# Altium PCB rev3.PcbDoc (part 6 of 7) (continued)
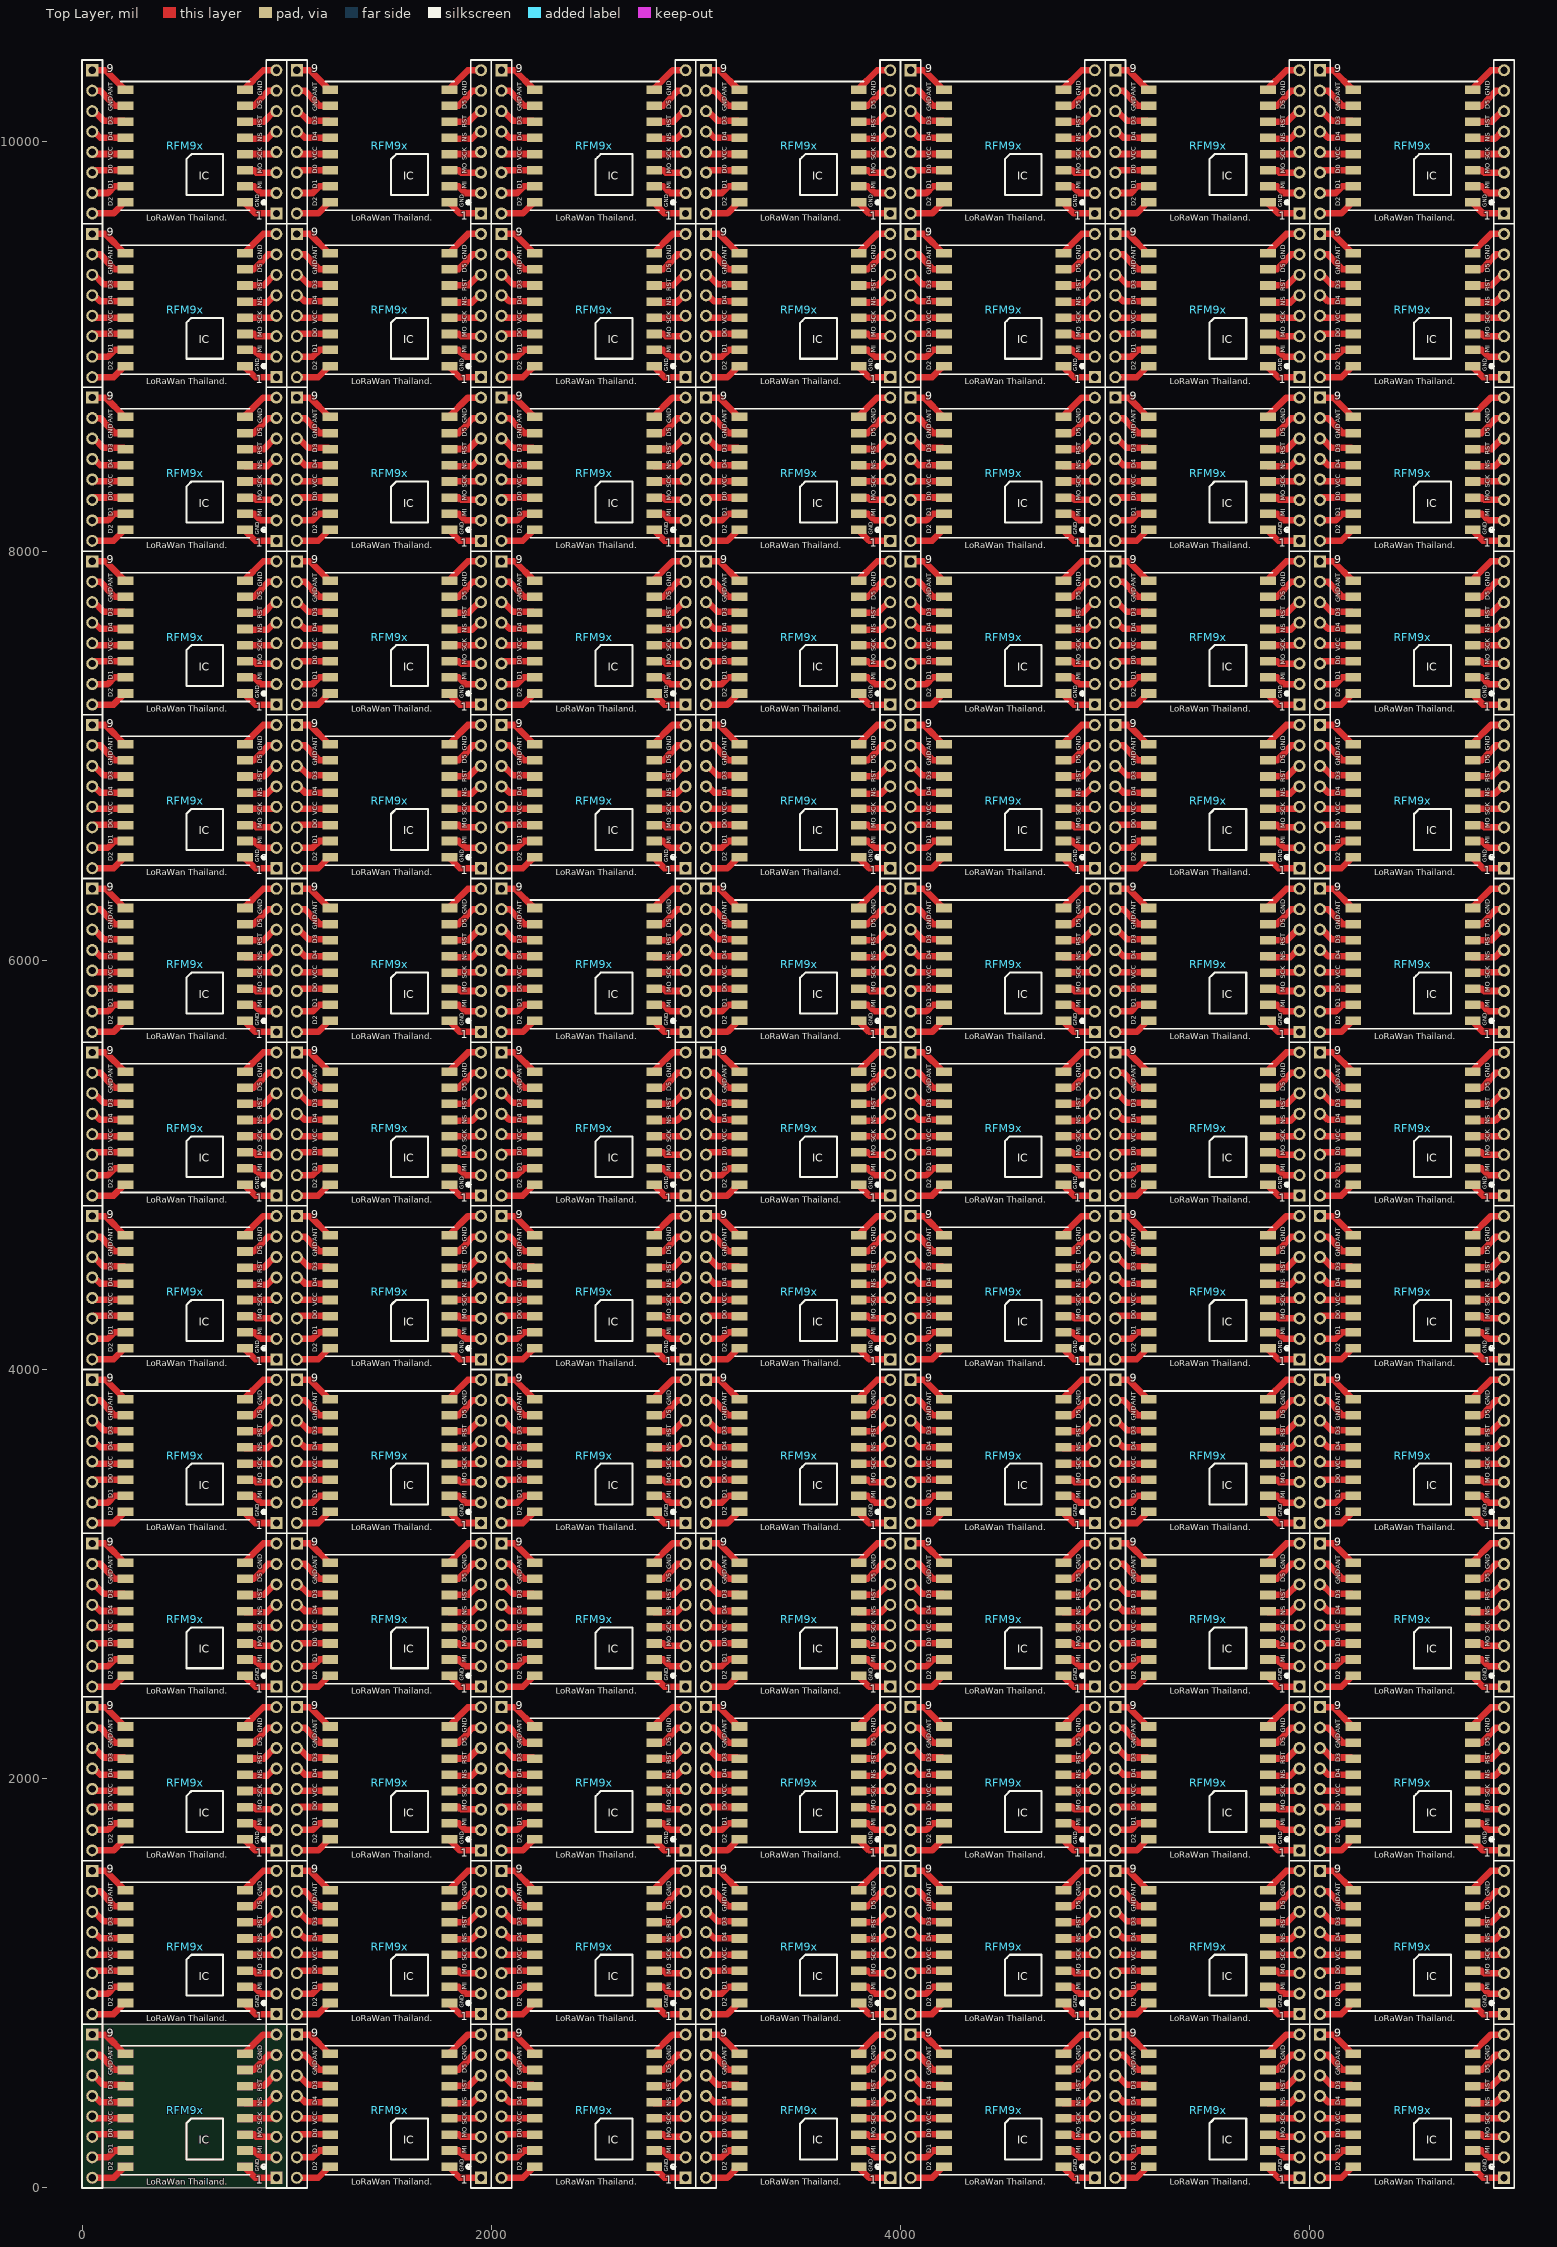
[diagram p0: Top Layer view]
## Silkscreen, mask and mechanical layers (free items; w line width, h text height) (continued)
  text "LoRaWan Thailand." at 1315,6415 h30
  text "LoRaWan Thailand." at 2315,6415 h30
  text "LoRaWan Thailand." at 3315,6415 h30
  text "LoRaWan Thailand." at 4315,6415 h30
  text "LoRaWan Thailand." at 5315,6415 h30
  text "LoRaWan Thailand." at 6315,6415 h30
  text "ANT" at 150,6226 h23 r90
  text "ANT" at 1150,6226 h23 r90
  text "ANT" at 2150,6226 h23 r90
  text "ANT" at 3150,6226 h23 r90
  text "ANT" at 4150,6226 h23 r90
  text "ANT" at 5150,6226 h23 r90
  text "ANT" at 6150,6226 h23 r90
  text "GND" at 880,6225 h23 r90
  text "GND" at 1880,6225 h23 r90
  text "GND" at 2880,6225 h23 r90
  text "GND" at 3880,6225 h23 r90
  text "GND" at 4880,6225 h23 r90
  text "GND" at 5880,6225 h23 r90
  text "GND" at 6880,6225 h23 r90
  text "D5" at 880,6160 h23 r90
  text "D5" at 1880,6160 h23 r90
  text "D5" at 2880,6160 h23 r90
  text "D5" at 3880,6160 h23 r90
  text "D5" at 4880,6160 h23 r90
  text "D5" at 5880,6160 h23 r90
  text "D5" at 6880,6160 h23 r90
  text "GND" at 150,6150 h23 r90
  text "GND" at 1150,6150 h23 r90
  text "GND" at 2150,6150 h23 r90
  text "GND" at 3150,6150 h23 r90
  text "GND" at 4150,6150 h23 r90
  text "GND" at 5150,6150 h23 r90
  text "GND" at 6150,6150 h23 r90
  text "D3" at 150,6080 h23 r90
  text "D3" at 1150,6080 h23 r90
  text "D3" at 2150,6080 h23 r90
  text "D3" at 3150,6080 h23 r90
  text "D3" at 4150,6080 h23 r90
  text "D3" at 5150,6080 h23 r90
  text "D3" at 6150,6080 h23 r90
  text "RST" at 880,6070 h23 r90
  text "RST" at 1880,6070 h23 r90
  text "RST" at 2880,6070 h23 r90
  text "RST" at 3880,6070 h23 r90
  text "RST" at 4880,6070 h23 r90
  text "RST" at 5880,6070 h23 r90
  text "RST" at 6880,6070 h23 r90
  text "D4" at 150,6005 h23 r90
  text "D4" at 1150,6005 h23 r90
  text "D4" at 2150,6005 h23 r90
  text "D4" at 3150,6005 h23 r90
  text "D4" at 4150,6005 h23 r90
  text "D4" at 5150,6005 h23 r90
  text "D4" at 6150,6005 h23 r90
  text "NS" at 880,6000 h23 r90
  text "NS" at 1880,6000 h23 r90
  text "NS" at 2880,6000 h23 r90
  text "NS" at 3880,6000 h23 r90
  text "NS" at 4880,6000 h23 r90
  text "NS" at 5880,6000 h23 r90
  text "NS" at 6880,6000 h23 r90
  text "VCC" at 150,5910 h23 r90
  text "SCK" at 880,5910 h23 r90
  text "VCC" at 1150,5910 h23 r90
  text "SCK" at 1880,5910 h23 r90
  text "VCC" at 2150,5910 h23 r90
  text "SCK" at 2880,5910 h23 r90
  text "VCC" at 3150,5910 h23 r90
  text "SCK" at 3880,5910 h23 r90
  text "VCC" at 4150,5910 h23 r90
  text "SCK" at 4880,5910 h23 r90
  text "VCC" at 5150,5910 h23 r90
  text "SCK" at 5880,5910 h23 r90
  text "VCC" at 6150,5910 h23 r90
  text "SCK" at 6880,5910 h23 r90
  text "D0" at 150,5845 h23 r90
  text "MO" at 880,5845 h23 r90
  text "D0" at 1150,5845 h23 r90
  text "MO" at 1880,5845 h23 r90
  text "D0" at 2150,5845 h23 r90
  text "MO" at 2880,5845 h23 r90
  text "D0" at 3150,5845 h23 r90
  text "MO" at 3880,5845 h23 r90
  text "D0" at 4150,5845 h23 r90
  text "MO" at 4880,5845 h23 r90
  text "D0" at 5150,5845 h23 r90
  text "MO" at 5880,5845 h23 r90
  text "D0" at 6150,5845 h23 r90
  text "MO" at 6880,5845 h23 r90
  text "D1" at 150,5770 h23 r90
  text "MI" at 880,5770 h23 r90
  text "D1" at 1150,5770 h23 r90
  text "MI" at 1880,5770 h23 r90
  text "D1" at 2150,5770 h23 r90
  text "MI" at 2880,5770 h23 r90
  text "D1" at 3150,5770 h23 r90
  text "MI" at 3880,5770 h23 r90
  text "D1" at 4150,5770 h23 r90
  text "MI" at 4880,5770 h23 r90
  text "D1" at 5150,5770 h23 r90
  text "MI" at 5880,5770 h23 r90
  text "D1" at 6150,5770 h23 r90
  text "MI" at 6880,5770 h23 r90
  text "D2" at 150,5685 h23 r90
  text "D2" at 1150,5685 h23 r90
  text "D2" at 2150,5685 h23 r90
  text "D2" at 3150,5685 h23 r90
  text "D2" at 4150,5685 h23 r90
  text "D2" at 5150,5685 h23 r90
  text "D2" at 6150,5685 h23 r90
  text "GND" at 865,5680 h20 r90
  text "GND" at 1865,5680 h20 r90
  text "GND" at 2865,5680 h20 r90
  text "GND" at 3865,5680 h20 r90
  text "GND" at 4865,5680 h20 r90
  text "GND" at 5865,5680 h20 r90
  text "GND" at 6865,5680 h20 r90
  text "LoRaWan Thailand." at 315,5615 h30
  text "LoRaWan Thailand." at 1315,5615 h30
  text "LoRaWan Thailand." at 2315,5615 h30
  text "LoRaWan Thailand." at 3315,5615 h30
  text "LoRaWan Thailand." at 4315,5615 h30
  text "LoRaWan Thailand." at 5315,5615 h30
  text "LoRaWan Thailand." at 6315,5615 h30
  text "ANT" at 150,5426 h23 r90
  text "ANT" at 1150,5426 h23 r90
  text "ANT" at 2150,5426 h23 r90
  text "ANT" at 3150,5426 h23 r90
  text "ANT" at 4150,5426 h23 r90
  text "ANT" at 5150,5426 h23 r90
  text "ANT" at 6150,5426 h23 r90
  text "GND" at 880,5425 h23 r90
  text "GND" at 1880,5425 h23 r90
  text "GND" at 2880,5425 h23 r90
  text "GND" at 3880,5425 h23 r90
  text "GND" at 4880,5425 h23 r90
  text "GND" at 5880,5425 h23 r90
  text "GND" at 6880,5425 h23 r90
  text "D5" at 880,5360 h23 r90
  text "D5" at 1880,5360 h23 r90
  text "D5" at 2880,5360 h23 r90
  text "D5" at 3880,5360 h23 r90
  text "D5" at 4880,5360 h23 r90
  text "D5" at 5880,5360 h23 r90
  text "D5" at 6880,5360 h23 r90
  text "GND" at 150,5350 h23 r90
  text "GND" at 1150,5350 h23 r90
  text "GND" at 2150,5350 h23 r90
  text "GND" at 3150,5350 h23 r90
  text "GND" at 4150,5350 h23 r90
  text "GND" at 5150,5350 h23 r90
  text "GND" at 6150,5350 h23 r90
  text "D3" at 150,5280 h23 r90
  text "D3" at 1150,5280 h23 r90
  text "D3" at 2150,5280 h23 r90
  text "D3" at 3150,5280 h23 r90
  text "D3" at 4150,5280 h23 r90
  text "D3" at 5150,5280 h23 r90
  text "D3" at 6150,5280 h23 r90
  text "RST" at 880,5270 h23 r90
  text "RST" at 1880,5270 h23 r90
  text "RST" at 2880,5270 h23 r90
  text "RST" at 3880,5270 h23 r90
  text "RST" at 4880,5270 h23 r90
  text "RST" at 5880,5270 h23 r90
  text "RST" at 6880,5270 h23 r90
  text "D4" at 150,5205 h23 r90
  text "D4" at 1150,5205 h23 r90
  text "D4" at 2150,5205 h23 r90
  text "D4" at 3150,5205 h23 r90
  text "D4" at 4150,5205 h23 r90
  text "D4" at 5150,5205 h23 r90
  text "D4" at 6150,5205 h23 r90
  text "NS" at 880,5200 h23 r90
  text "NS" at 1880,5200 h23 r90
  text "NS" at 2880,5200 h23 r90
  text "NS" at 3880,5200 h23 r90
  text "NS" at 4880,5200 h23 r90
  text "NS" at 5880,5200 h23 r90
  text "NS" at 6880,5200 h23 r90
  text "VCC" at 150,5110 h23 r90
  text "SCK" at 880,5110 h23 r90
  text "VCC" at 1150,5110 h23 r90
  text "SCK" at 1880,5110 h23 r90
  text "VCC" at 2150,5110 h23 r90
  text "SCK" at 2880,5110 h23 r90
  text "VCC" at 3150,5110 h23 r90
  text "SCK" at 3880,5110 h23 r90
  text "VCC" at 4150,5110 h23 r90
  text "SCK" at 4880,5110 h23 r90
  text "VCC" at 5150,5110 h23 r90
  text "SCK" at 5880,5110 h23 r90
  text "VCC" at 6150,5110 h23 r90
  text "SCK" at 6880,5110 h23 r90
  text "D0" at 150,5045 h23 r90
  text "MO" at 880,5045 h23 r90
  text "D0" at 1150,5045 h23 r90
  text "MO" at 1880,5045 h23 r90
  text "D0" at 2150,5045 h23 r90
  text "MO" at 2880,5045 h23 r90
  text "D0" at 3150,5045 h23 r90
  text "MO" at 3880,5045 h23 r90
  text "D0" at 4150,5045 h23 r90
  text "MO" at 4880,5045 h23 r90
  text "D0" at 5150,5045 h23 r90
  text "MO" at 5880,5045 h23 r90
  text "D0" at 6150,5045 h23 r90
  text "MO" at 6880,5045 h23 r90
  text "D1" at 150,4970 h23 r90
  text "MI" at 880,4970 h23 r90
  text "D1" at 1150,4970 h23 r90
  text "MI" at 1880,4970 h23 r90
  text "D1" at 2150,4970 h23 r90
  text "MI" at 2880,4970 h23 r90
  text "D1" at 3150,4970 h23 r90
  text "MI" at 3880,4970 h23 r90
  text "D1" at 4150,4970 h23 r90
  text "MI" at 4880,4970 h23 r90
  text "D1" at 5150,4970 h23 r90
  text "MI" at 5880,4970 h23 r90
  text "D1" at 6150,4970 h23 r90
  text "MI" at 6880,4970 h23 r90
  text "D2" at 150,4885 h23 r90
  text "D2" at 1150,4885 h23 r90
  text "D2" at 2150,4885 h23 r90
  text "D2" at 3150,4885 h23 r90
  text "D2" at 4150,4885 h23 r90
  text "D2" at 5150,4885 h23 r90
  text "D2" at 6150,4885 h23 r90
  text "GND" at 865,4880 h20 r90
  text "GND" at 1865,4880 h20 r90
  text "GND" at 2865,4880 h20 r90
  text "GND" at 3865,4880 h20 r90
  text "GND" at 4865,4880 h20 r90
  text "GND" at 5865,4880 h20 r90
  text "GND" at 6865,4880 h20 r90
  text "LoRaWan Thailand." at 315,4815 h30
  text "LoRaWan Thailand." at 1315,4815 h30
  text "LoRaWan Thailand." at 2315,4815 h30
  text "LoRaWan Thailand." at 3315,4815 h30
  text "LoRaWan Thailand." at 4315,4815 h30
  text "LoRaWan Thailand." at 5315,4815 h30
  text "LoRaWan Thailand." at 6315,4815 h30
  text "ANT" at 150,4626 h23 r90
  text "ANT" at 1150,4626 h23 r90
  text "ANT" at 2150,4626 h23 r90
  text "ANT" at 3150,4626 h23 r90
  text "ANT" at 4150,4626 h23 r90
  text "ANT" at 5150,4626 h23 r90
  text "ANT" at 6150,4626 h23 r90
  text "GND" at 880,4625 h23 r90
  text "GND" at 1880,4625 h23 r90
  text "GND" at 2880,4625 h23 r90
  text "GND" at 3880,4625 h23 r90
  text "GND" at 4880,4625 h23 r90
  text "GND" at 5880,4625 h23 r90
  text "GND" at 6880,4625 h23 r90
  text "D5" at 880,4560 h23 r90
  text "D5" at 1880,4560 h23 r90
  text "D5" at 2880,4560 h23 r90
  text "D5" at 3880,4560 h23 r90
  text "D5" at 4880,4560 h23 r90
  text "D5" at 5880,4560 h23 r90
  text "D5" at 6880,4560 h23 r90
  text "GND" at 150,4550 h23 r90
  text "GND" at 1150,4550 h23 r90
  text "GND" at 2150,4550 h23 r90
  text "GND" at 3150,4550 h23 r90
  text "GND" at 4150,4550 h23 r90
  text "GND" at 5150,4550 h23 r90
  text "GND" at 6150,4550 h23 r90
  text "D3" at 150,4480 h23 r90
  text "D3" at 1150,4480 h23 r90
  text "D3" at 2150,4480 h23 r90
  text "D3" at 3150,4480 h23 r90
  text "D3" at 4150,4480 h23 r90
  text "D3" at 5150,4480 h23 r90
  text "D3" at 6150,4480 h23 r90
  text "RST" at 880,4470 h23 r90
  text "RST" at 1880,4470 h23 r90
  text "RST" at 2880,4470 h23 r90
  text "RST" at 3880,4470 h23 r90
  text "RST" at 4880,4470 h23 r90
  text "RST" at 5880,4470 h23 r90
  text "RST" at 6880,4470 h23 r90
  text "D4" at 150,4405 h23 r90
  text "D4" at 1150,4405 h23 r90
  text "D4" at 2150,4405 h23 r90
  text "D4" at 3150,4405 h23 r90
  text "D4" at 4150,4405 h23 r90
  text "D4" at 5150,4405 h23 r90
  text "D4" at 6150,4405 h23 r90
  text "NS" at 880,4400 h23 r90
  text "NS" at 1880,4400 h23 r90
  text "NS" at 2880,4400 h23 r90
  text "NS" at 3880,4400 h23 r90
  text "NS" at 4880,4400 h23 r90
  text "NS" at 5880,4400 h23 r90
  text "NS" at 6880,4400 h23 r90
  text "VCC" at 150,4310 h23 r90
  text "SCK" at 880,4310 h23 r90
  text "VCC" at 1150,4310 h23 r90
  text "SCK" at 1880,4310 h23 r90
  text "VCC" at 2150,4310 h23 r90
  text "SCK" at 2880,4310 h23 r90
  text "VCC" at 3150,4310 h23 r90
  text "SCK" at 3880,4310 h23 r90
  text "VCC" at 4150,4310 h23 r90
  text "SCK" at 4880,4310 h23 r90
  text "VCC" at 5150,4310 h23 r90
  text "SCK" at 5880,4310 h23 r90
  text "VCC" at 6150,4310 h23 r90
  text "SCK" at 6880,4310 h23 r90
  text "D0" at 150,4245 h23 r90
  text "MO" at 880,4245 h23 r90
  text "D0" at 1150,4245 h23 r90
  text "MO" at 1880,4245 h23 r90
  text "D0" at 2150,4245 h23 r90
  text "MO" at 2880,4245 h23 r90
  text "D0" at 3150,4245 h23 r90
  text "MO" at 3880,4245 h23 r90
  text "D0" at 4150,4245 h23 r90
  text "MO" at 4880,4245 h23 r90
  text "D0" at 5150,4245 h23 r90
  text "MO" at 5880,4245 h23 r90
  text "D0" at 6150,4245 h23 r90
  text "MO" at 6880,4245 h23 r90
  text "D1" at 150,4170 h23 r90
  text "MI" at 880,4170 h23 r90
  text "D1" at 1150,4170 h23 r90
  text "MI" at 1880,4170 h23 r90
  text "D1" at 2150,4170 h23 r90
  text "MI" at 2880,4170 h23 r90
  text "D1" at 3150,4170 h23 r90
  text "MI" at 3880,4170 h23 r90
  text "D1" at 4150,4170 h23 r90
  text "MI" at 4880,4170 h23 r90
  text "D1" at 5150,4170 h23 r90
  text "MI" at 5880,4170 h23 r90
  text "D1" at 6150,4170 h23 r90
  text "MI" at 6880,4170 h23 r90
  text "D2" at 150,4085 h23 r90
  text "D2" at 1150,4085 h23 r90
  text "D2" at 2150,4085 h23 r90
  text "D2" at 3150,4085 h23 r90
  text "D2" at 4150,4085 h23 r90
  text "D2" at 5150,4085 h23 r90
  text "D2" at 6150,4085 h23 r90
  text "GND" at 865,4080 h20 r90
  text "GND" at 1865,4080 h20 r90
  text "GND" at 2865,4080 h20 r90
  text "GND" at 3865,4080 h20 r90
  text "GND" at 4865,4080 h20 r90
  text "GND" at 5865,4080 h20 r90
  text "GND" at 6865,4080 h20 r90
  text "LoRaWan Thailand." at 315,4015 h30
  text "LoRaWan Thailand." at 1315,4015 h30
  text "LoRaWan Thailand." at 2315,4015 h30
  text "LoRaWan Thailand." at 3315,4015 h30
  text "LoRaWan Thailand." at 4315,4015 h30
  text "LoRaWan Thailand." at 5315,4015 h30
  text "LoRaWan Thailand." at 6315,4015 h30
  text "ANT" at 150,3826 h23 r90
  text "ANT" at 1150,3826 h23 r90
  text "ANT" at 2150,3826 h23 r90
  text "ANT" at 3150,3826 h23 r90
  text "ANT" at 4150,3826 h23 r90
  text "ANT" at 5150,3826 h23 r90
  text "ANT" at 6150,3826 h23 r90
  text "GND" at 880,3825 h23 r90
  text "GND" at 1880,3825 h23 r90
  text "GND" at 2880,3825 h23 r90
  text "GND" at 3880,3825 h23 r90
  text "GND" at 4880,3825 h23 r90
  text "GND" at 5880,3825 h23 r90
  text "GND" at 6880,3825 h23 r90
  text "D5" at 880,3760 h23 r90
  text "D5" at 1880,3760 h23 r90
  text "D5" at 2880,3760 h23 r90
  text "D5" at 3880,3760 h23 r90
  text "D5" at 4880,3760 h23 r90
  text "D5" at 5880,3760 h23 r90
  text "D5" at 6880,3760 h23 r90
  text "GND" at 150,3750 h23 r90
  text "GND" at 1150,3750 h23 r90
  text "GND" at 2150,3750 h23 r90
  text "GND" at 3150,3750 h23 r90
  text "GND" at 4150,3750 h23 r90
  text "GND" at 5150,3750 h23 r90
  text "GND" at 6150,3750 h23 r90
  text "D3" at 150,3680 h23 r90
  text "D3" at 1150,3680 h23 r90
  text "D3" at 2150,3680 h23 r90
  text "D3" at 3150,3680 h23 r90
  text "D3" at 4150,3680 h23 r90
  text "D3" at 5150,3680 h23 r90
  text "D3" at 6150,3680 h23 r90
  text "RST" at 880,3670 h23 r90
  text "RST" at 1880,3670 h23 r90
  text "RST" at 2880,3670 h23 r90
  text "RST" at 3880,3670 h23 r90
  text "RST" at 4880,3670 h23 r90
  text "RST" at 5880,3670 h23 r90
  text "RST" at 6880,3670 h23 r90
  text "D4" at 150,3605 h23 r90
  text "D4" at 1150,3605 h23 r90
  text "D4" at 2150,3605 h23 r90
  text "D4" at 3150,3605 h23 r90
  text "D4" at 4150,3605 h23 r90
  text "D4" at 5150,3605 h23 r90
  text "D4" at 6150,3605 h23 r90
  text "NS" at 880,3600 h23 r90
  text "NS" at 1880,3600 h23 r90
  text "NS" at 2880,3600 h23 r90
  text "NS" at 3880,3600 h23 r90
  text "NS" at 4880,3600 h23 r90
  text "NS" at 5880,3600 h23 r90
  text "NS" at 6880,3600 h23 r90
  text "VCC" at 150,3510 h23 r90
  text "SCK" at 880,3510 h23 r90
  text "VCC" at 1150,3510 h23 r90
  text "SCK" at 1880,3510 h23 r90
  text "VCC" at 2150,3510 h23 r90
  text "SCK" at 2880,3510 h23 r90
  text "VCC" at 3150,3510 h23 r90
  text "SCK" at 3880,3510 h23 r90
  text "VCC" at 4150,3510 h23 r90
  text "SCK" at 4880,3510 h23 r90
  text "VCC" at 5150,3510 h23 r90
  text "SCK" at 5880,3510 h23 r90
  text "VCC" at 6150,3510 h23 r90
  text "SCK" at 6880,3510 h23 r90
  text "D0" at 150,3445 h23 r90
  text "MO" at 880,3445 h23 r90
  text "D0" at 1150,3445 h23 r90
  text "MO" at 1880,3445 h23 r90
  text "D0" at 2150,3445 h23 r90
  text "MO" at 2880,3445 h23 r90
  text "D0" at 3150,3445 h23 r90
  text "MO" at 3880,3445 h23 r90
  text "D0" at 4150,3445 h23 r90
  text "MO" at 4880,3445 h23 r90
  text "D0" at 5150,3445 h23 r90
  text "MO" at 5880,3445 h23 r90
  text "D0" at 6150,3445 h23 r90
  text "MO" at 6880,3445 h23 r90
  text "D1" at 150,3370 h23 r90
  text "MI" at 880,3370 h23 r90
  text "D1" at 1150,3370 h23 r90
  text "MI" at 1880,3370 h23 r90
  text "D1" at 2150,3370 h23 r90
  text "MI" at 2880,3370 h23 r90
  text "D1" at 3150,3370 h23 r90
  text "MI" at 3880,3370 h23 r90
  text "D1" at 4150,3370 h23 r90
  text "MI" at 4880,3370 h23 r90
  text "D1" at 5150,3370 h23 r90
  text "MI" at 5880,3370 h23 r90
  text "D1" at 6150,3370 h23 r90
  text "MI" at 6880,3370 h23 r90
  text "D2" at 150,3285 h23 r90
  text "D2" at 1150,3285 h23 r90
  text "D2" at 2150,3285 h23 r90
  text "D2" at 3150,3285 h23 r90
  text "D2" at 4150,3285 h23 r90
  text "D2" at 5150,3285 h23 r90
  text "D2" at 6150,3285 h23 r90
  text "GND" at 865,3280 h20 r90
  text "GND" at 1865,3280 h20 r90
  text "GND" at 2865,3280 h20 r90
  text "GND" at 3865,3280 h20 r90
  text "GND" at 4865,3280 h20 r90
  text "GND" at 5865,3280 h20 r90
  text "GND" at 6865,3280 h20 r90
  text "LoRaWan Thailand." at 315,3215 h30
  text "LoRaWan Thailand." at 1315,3215 h30
  text "LoRaWan Thailand." at 2315,3215 h30
  text "LoRaWan Thailand." at 3315,3215 h30
  text "LoRaWan Thailand." at 4315,3215 h30
  text "LoRaWan Thailand." at 5315,3215 h30
  text "LoRaWan Thailand." at 6315,3215 h30
  text "ANT" at 150,3026 h23 r90
  text "ANT" at 1150,3026 h23 r90
  text "ANT" at 2150,3026 h23 r90
  text "ANT" at 3150,3026 h23 r90
  text "ANT" at 4150,3026 h23 r90
  text "ANT" at 5150,3026 h23 r90
  text "ANT" at 6150,3026 h23 r90
  text "GND" at 880,3025 h23 r90
  text "GND" at 1880,3025 h23 r90
  text "GND" at 2880,3025 h23 r90
  text "GND" at 3880,3025 h23 r90
  text "GND" at 4880,3025 h23 r90
  text "GND" at 5880,3025 h23 r90
  text "GND" at 6880,3025 h23 r90
  text "D5" at 880,2960 h23 r90
  text "D5" at 1880,2960 h23 r90
  text "D5" at 2880,2960 h23 r90
  text "D5" at 3880,2960 h23 r90
  text "D5" at 4880,2960 h23 r90
  text "D5" at 5880,2960 h23 r90
  text "D5" at 6880,2960 h23 r90
  text "GND" at 150,2950 h23 r90
  text "GND" at 1150,2950 h23 r90
  text "GND" at 2150,2950 h23 r90
  text "GND" at 3150,2950 h23 r90
  text "GND" at 4150,2950 h23 r90
  text "GND" at 5150,2950 h23 r90
  text "GND" at 6150,2950 h23 r90
  text "D3" at 150,2880 h23 r90
  text "D3" at 1150,2880 h23 r90
  text "D3" at 2150,2880 h23 r90
  text "D3" at 3150,2880 h23 r90
  text "D3" at 4150,2880 h23 r90
  text "D3" at 5150,2880 h23 r90
  text "D3" at 6150,2880 h23 r90
  text "RST" at 880,2870 h23 r90
  text "RST" at 1880,2870 h23 r90
  text "RST" at 2880,2870 h23 r90
  text "RST" at 3880,2870 h23 r90
  text "RST" at 4880,2870 h23 r90
  text "RST" at 5880,2870 h23 r90
  text "RST" at 6880,2870 h23 r90
  text "D4" at 150,2805 h23 r90
  text "D4" at 1150,2805 h23 r90
  text "D4" at 2150,2805 h23 r90
  text "D4" at 3150,2805 h23 r90
  text "D4" at 4150,2805 h23 r90
  text "D4" at 5150,2805 h23 r90
  text "D4" at 6150,2805 h23 r90
  text "NS" at 880,2800 h23 r90
  text "NS" at 1880,2800 h23 r90
  text "NS" at 2880,2800 h23 r90
  text "NS" at 3880,2800 h23 r90
  text "NS" at 4880,2800 h23 r90
  text "NS" at 5880,2800 h23 r90
  text "NS" at 6880,2800 h23 r90
  text "VCC" at 150,2710 h23 r90
  text "SCK" at 880,2710 h23 r90
  text "VCC" at 1150,2710 h23 r90
  text "SCK" at 1880,2710 h23 r90
  text "VCC" at 2150,2710 h23 r90
  text "SCK" at 2880,2710 h23 r90
  text "VCC" at 3150,2710 h23 r90
  text "SCK" at 3880,2710 h23 r90
  text "VCC" at 4150,2710 h23 r90
  text "SCK" at 4880,2710 h23 r90
  text "VCC" at 5150,2710 h23 r90
  text "SCK" at 5880,2710 h23 r90
  text "VCC" at 6150,2710 h23 r90
  text "SCK" at 6880,2710 h23 r90
  text "D0" at 150,2645 h23 r90
  text "MO" at 880,2645 h23 r90
  text "D0" at 1150,2645 h23 r90
  text "MO" at 1880,2645 h23 r90
  text "D0" at 2150,2645 h23 r90
  text "MO" at 2880,2645 h23 r90
  text "D0" at 3150,2645 h23 r90
  text "MO" at 3880,2645 h23 r90
  text "D0" at 4150,2645 h23 r90
  text "MO" at 4880,2645 h23 r90
  text "D0" at 5150,2645 h23 r90
  text "MO" at 5880,2645 h23 r90
  text "D0" at 6150,2645 h23 r90
  text "MO" at 6880,2645 h23 r90
  text "D1" at 150,2570 h23 r90
  text "MI" at 880,2570 h23 r90
  text "D1" at 1150,2570 h23 r90
  text "MI" at 1880,2570 h23 r90
  text "D1" at 2150,2570 h23 r90
  text "MI" at 2880,2570 h23 r90
  text "D1" at 3150,2570 h23 r90
  text "MI" at 3880,2570 h23 r90
  text "D1" at 4150,2570 h23 r90
  text "MI" at 4880,2570 h23 r90
  text "D1" at 5150,2570 h23 r90
  text "MI" at 5880,2570 h23 r90
  text "D1" at 6150,2570 h23 r90
  text "MI" at 6880,2570 h23 r90
  text "D2" at 150,2485 h23 r90
  text "D2" at 1150,2485 h23 r90
  text "D2" at 2150,2485 h23 r90
  text "D2" at 3150,2485 h23 r90
  text "D2" at 4150,2485 h23 r90
  text "D2" at 5150,2485 h23 r90
  text "D2" at 6150,2485 h23 r90
  text "GND" at 865,2480 h20 r90
  text "GND" at 1865,2480 h20 r90
  text "GND" at 2865,2480 h20 r90
  text "GND" at 3865,2480 h20 r90
  text "GND" at 4865,2480 h20 r90
  text "GND" at 5865,2480 h20 r90
  text "GND" at 6865,2480 h20 r90
  text "LoRaWan Thailand." at 315,2415 h30
  text "LoRaWan Thailand." at 1315,2415 h30
  text "LoRaWan Thailand." at 2315,2415 h30
  text "LoRaWan Thailand." at 3315,2415 h30
  text "LoRaWan Thailand." at 4315,2415 h30
  text "LoRaWan Thailand." at 5315,2415 h30
  text "LoRaWan Thailand." at 6315,2415 h30
  text "ANT" at 150,2226 h23 r90
  text "ANT" at 1150,2226 h23 r90
  text "ANT" at 2150,2226 h23 r90
  text "ANT" at 3150,2226 h23 r90
  text "ANT" at 4150,2226 h23 r90
  text "ANT" at 5150,2226 h23 r90
  text "ANT" at 6150,2226 h23 r90
  text "GND" at 880,2225 h23 r90
  text "GND" at 1880,2225 h23 r90
  text "GND" at 2880,2225 h23 r90
  text "GND" at 3880,2225 h23 r90
  text "GND" at 4880,2225 h23 r90
  text "GND" at 5880,2225 h23 r90
  text "GND" at 6880,2225 h23 r90
  text "D5" at 880,2160 h23 r90
  text "D5" at 1880,2160 h23 r90
  text "D5" at 2880,2160 h23 r90
  text "D5" at 3880,2160 h23 r90
  text "D5" at 4880,2160 h23 r90
  text "D5" at 5880,2160 h23 r90
  text "D5" at 6880,2160 h23 r90
  text "GND" at 150,2150 h23 r90
  text "GND" at 1150,2150 h23 r90
  text "GND" at 2150,2150 h23 r90
  text "GND" at 3150,2150 h23 r90
  text "GND" at 4150,2150 h23 r90
  text "GND" at 5150,2150 h23 r90
  text "GND" at 6150,2150 h23 r90
  text "D3" at 150,2080 h23 r90
  text "D3" at 1150,2080 h23 r90
  text "D3" at 2150,2080 h23 r90
  text "D3" at 3150,2080 h23 r90
  text "D3" at 4150,2080 h23 r90
  text "D3" at 5150,2080 h23 r90
  text "D3" at 6150,2080 h23 r90
  text "RST" at 880,2070 h23 r90
  text "RST" at 1880,2070 h23 r90
  text "RST" at 2880,2070 h23 r90
  text "RST" at 3880,2070 h23 r90
  text "RST" at 4880,2070 h23 r90
  text "RST" at 5880,2070 h23 r90
  text "RST" at 6880,2070 h23 r90
  text "D4" at 150,2005 h23 r90
  text "D4" at 1150,2005 h23 r90
  text "D4" at 2150,2005 h23 r90
  text "D4" at 3150,2005 h23 r90
  text "D4" at 4150,2005 h23 r90
  text "D4" at 5150,2005 h23 r90
  text "D4" at 6150,2005 h23 r90
  text "NS" at 880,2000 h23 r90
  text "NS" at 1880,2000 h23 r90
  text "NS" at 2880,2000 h23 r90
  text "NS" at 3880,2000 h23 r90
  text "NS" at 4880,2000 h23 r90
  text "NS" at 5880,2000 h23 r90
  text "NS" at 6880,2000 h23 r90
  text "VCC" at 150,1910 h23 r90
  text "SCK" at 880,1910 h23 r90
  text "VCC" at 1150,1910 h23 r90
  text "SCK" at 1880,1910 h23 r90
  text "VCC" at 2150,1910 h23 r90
  text "SCK" at 2880,1910 h23 r90
  text "VCC" at 3150,1910 h23 r90
  text "SCK" at 3880,1910 h23 r90
  text "VCC" at 4150,1910 h23 r90
  text "SCK" at 4880,1910 h23 r90
  text "VCC" at 5150,1910 h23 r90
  text "SCK" at 5880,1910 h23 r90
  text "VCC" at 6150,1910 h23 r90
  text "SCK" at 6880,1910 h23 r90
  text "D0" at 150,1845 h23 r90
  text "MO" at 880,1845 h23 r90
  text "D0" at 1150,1845 h23 r90
  text "MO" at 1880,1845 h23 r90
  text "D0" at 2150,1845 h23 r90
  text "MO" at 2880,1845 h23 r90
  text "D0" at 3150,1845 h23 r90
  text "MO" at 3880,1845 h23 r90
  text "D0" at 4150,1845 h23 r90
  text "MO" at 4880,1845 h23 r90
  text "D0" at 5150,1845 h23 r90
  text "MO" at 5880,1845 h23 r90
  text "D0" at 6150,1845 h23 r90
  text "MO" at 6880,1845 h23 r90
  text "D1" at 150,1770 h23 r90
  text "MI" at 880,1770 h23 r90
  text "D1" at 1150,1770 h23 r90
  text "MI" at 1880,1770 h23 r90
  text "D1" at 2150,1770 h23 r90
  text "MI" at 2880,1770 h23 r90
  text "D1" at 3150,1770 h23 r90
  text "MI" at 3880,1770 h23 r90
  text "D1" at 4150,1770 h23 r90
  text "MI" at 4880,1770 h23 r90
  text "D1" at 5150,1770 h23 r90
  text "MI" at 5880,1770 h23 r90
  text "D1" at 6150,1770 h23 r90
  text "MI" at 6880,1770 h23 r90
  text "D2" at 150,1685 h23 r90
  text "D2" at 1150,1685 h23 r90
  text "D2" at 2150,1685 h23 r90
  text "D2" at 3150,1685 h23 r90
  text "D2" at 4150,1685 h23 r90
  text "D2" at 5150,1685 h23 r90
  text "D2" at 6150,1685 h23 r90
  text "GND" at 865,1680 h20 r90
  text "GND" at 1865,1680 h20 r90
  text "GND" at 2865,1680 h20 r90
  text "GND" at 3865,1680 h20 r90
  text "GND" at 4865,1680 h20 r90
  text "GND" at 5865,1680 h20 r90
  text "GND" at 6865,1680 h20 r90
  text "LoRaWan Thailand." at 315,1615 h30
  text "LoRaWan Thailand." at 1315,1615 h30
  text "LoRaWan Thailand." at 2315,1615 h30
  text "LoRaWan Thailand." at 3315,1615 h30
  text "LoRaWan Thailand." at 4315,1615 h30
  text "LoRaWan Thailand." at 5315,1615 h30
  text "LoRaWan Thailand." at 6315,1615 h30
  text "ANT" at 150,1426 h23 r90
  text "ANT" at 1150,1426 h23 r90
  text "ANT" at 2150,1426 h23 r90
  text "ANT" at 3150,1426 h23 r90
  text "ANT" at 4150,1426 h23 r90
  text "ANT" at 5150,1426 h23 r90
  text "ANT" at 6150,1426 h23 r90
  text "GND" at 880,1425 h23 r90
  text "GND" at 1880,1425 h23 r90
  text "GND" at 2880,1425 h23 r90
  text "GND" at 3880,1425 h23 r90
  text "GND" at 4880,1425 h23 r90
  text "GND" at 5880,1425 h23 r90
  text "GND" at 6880,1425 h23 r90
  text "D5" at 880,1360 h23 r90
  text "D5" at 1880,1360 h23 r90
  text "D5" at 2880,1360 h23 r90
  text "D5" at 3880,1360 h23 r90
  text "D5" at 4880,1360 h23 r90
  text "D5" at 5880,1360 h23 r90
  text "D5" at 6880,1360 h23 r90
  text "GND" at 150,1350 h23 r90
  text "GND" at 1150,1350 h23 r90
  text "GND" at 2150,1350 h23 r90
  text "GND" at 3150,1350 h23 r90
  text "GND" at 4150,1350 h23 r90
  text "GND" at 5150,1350 h23 r90
  text "GND" at 6150,1350 h23 r90
  text "D3" at 150,1280 h23 r90
  text "D3" at 1150,1280 h23 r90
  text "D3" at 2150,1280 h23 r90
  text "D3" at 3150,1280 h23 r90
  text "D3" at 4150,1280 h23 r90
  text "D3" at 5150,1280 h23 r90
  text "D3" at 6150,1280 h23 r90
  text "RST" at 880,1270 h23 r90
  text "RST" at 1880,1270 h23 r90
  text "RST" at 2880,1270 h23 r90
  text "RST" at 3880,1270 h23 r90
  text "RST" at 4880,1270 h23 r90
  text "RST" at 5880,1270 h23 r90
  text "RST" at 6880,1270 h23 r90
  text "D4" at 150,1205 h23 r90
  text "D4" at 1150,1205 h23 r90
  text "D4" at 2150,1205 h23 r90
  text "D4" at 3150,1205 h23 r90
  text "D4" at 4150,1205 h23 r90
  text "D4" at 5150,1205 h23 r90
  text "D4" at 6150,1205 h23 r90
  text "NS" at 880,1200 h23 r90
  text "NS" at 1880,1200 h23 r90
  text "NS" at 2880,1200 h23 r90
  text "NS" at 3880,1200 h23 r90
  text "NS" at 4880,1200 h23 r90
  text "NS" at 5880,1200 h23 r90
  text "NS" at 6880,1200 h23 r90
  text "VCC" at 150,1110 h23 r90
  text "SCK" at 880,1110 h23 r90
  text "VCC" at 1150,1110 h23 r90
  text "SCK" at 1880,1110 h23 r90
  text "VCC" at 2150,1110 h23 r90
  text "SCK" at 2880,1110 h23 r90
  text "VCC" at 3150,1110 h23 r90
  text "SCK" at 3880,1110 h23 r90
  text "VCC" at 4150,1110 h23 r90
  text "SCK" at 4880,1110 h23 r90
  text "VCC" at 5150,1110 h23 r90
  text "SCK" at 5880,1110 h23 r90
  text "VCC" at 6150,1110 h23 r90
  text "SCK" at 6880,1110 h23 r90
  text "D0" at 150,1045 h23 r90
  text "MO" at 880,1045 h23 r90
  text "D0" at 1150,1045 h23 r90
  text "MO" at 1880,1045 h23 r90
  text "D0" at 2150,1045 h23 r90
  text "MO" at 2880,1045 h23 r90
  text "D0" at 3150,1045 h23 r90
  text "MO" at 3880,1045 h23 r90
  text "D0" at 4150,1045 h23 r90
  text "MO" at 4880,1045 h23 r90
  text "D0" at 5150,1045 h23 r90
  text "MO" at 5880,1045 h23 r90
  text "D0" at 6150,1045 h23 r90
  text "MO" at 6880,1045 h23 r90
  text "D1" at 150,970 h23 r90
  text "MI" at 880,970 h23 r90
  text "D1" at 1150,970 h23 r90
  text "MI" at 1880,970 h23 r90
  text "D1" at 2150,970 h23 r90
  text "MI" at 2880,970 h23 r90
  text "D1" at 3150,970 h23 r90
  text "MI" at 3880,970 h23 r90
  text "D1" at 4150,970 h23 r90
  text "MI" at 4880,970 h23 r90
  text "D1" at 5150,970 h23 r90
  text "MI" at 5880,970 h23 r90
  text "D1" at 6150,970 h23 r90
  text "MI" at 6880,970 h23 r90
  text "D2" at 150,885 h23 r90
  text "D2" at 1150,885 h23 r90
  text "D2" at 2150,885 h23 r90
  text "D2" at 3150,885 h23 r90
  text "D2" at 4150,885 h23 r90
  text "D2" at 5150,885 h23 r90
  text "D2" at 6150,885 h23 r90
  text "GND" at 865,880 h20 r90